# Altium PCB PCB.PcbDoc (part 1 of 2) (continued)
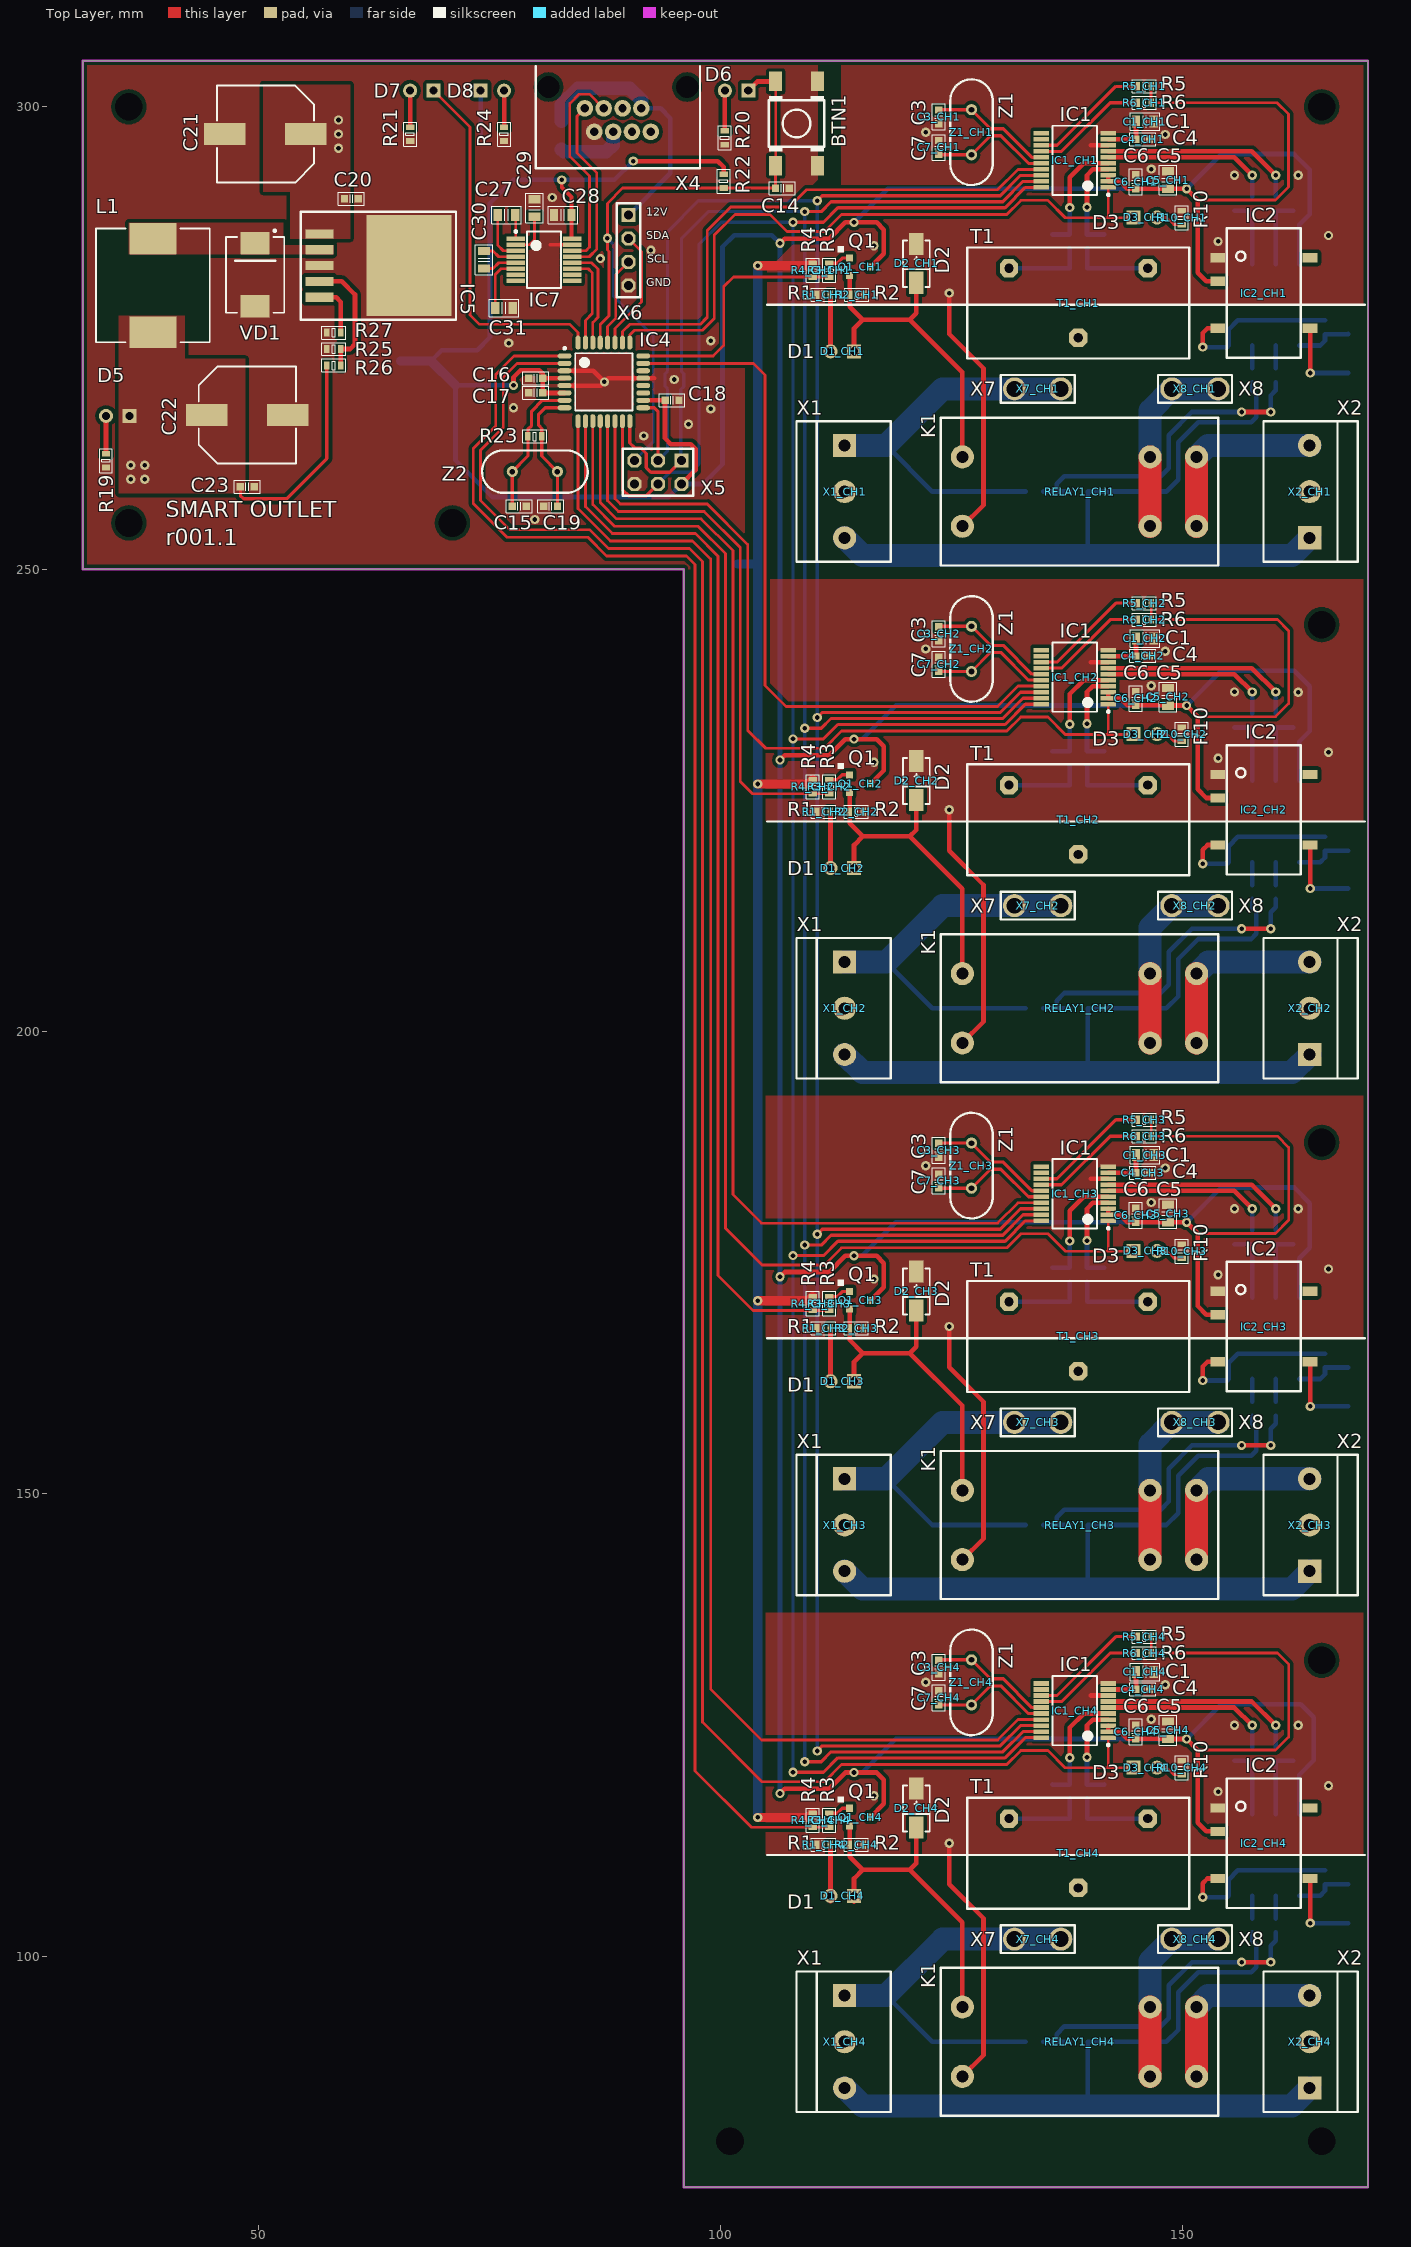
[diagram p0: Top Layer view]
## Components (designator, comment, footprint, x,y, rotation, side; value= is the part's Value field where it differs from the comment) (continued)
R2_CH3 "100k" R_0603 114.681,167.919 r0 top (schematic designator R2)
R2_CH4 "100k" R_0603 114.681,112.039 r0 top (schematic designator R2)
R3_CH1 "100k" R_0603 111.76,282.346 r270 top (schematic designator R3)
R3_CH2 "100k" R_0603 111.76,226.466 r270 top (schematic designator R3)
R3_CH3 "100k" R_0603 111.76,170.586 r270 top (schematic designator R3)
R3_CH4 "100k" R_0603 111.76,114.706 r270 top (schematic designator R3)
R4_CH1 "100k" R_0603 109.957,282.346 r90 top (schematic designator R4)
R4_CH2 "100k" R_0603 109.957,226.466 r90 top (schematic designator R4)
R4_CH3 "100k" R_0603 109.957,170.586 r90 top (schematic designator R4)
R4_CH4 "100k" R_0603 109.957,114.706 r90 top (schematic designator R4)
R5_CH1 "100k" R_0603 145.796,302.209 r0 top (schematic designator R5)
R5_CH2 "100k" R_0603 145.796,246.329 r0 top (schematic designator R5)
R5_CH3 "100k" R_0603 145.796,190.449 r0 top (schematic designator R5)
R5_CH4 "100k" R_0603 145.796,134.569 r0 top (schematic designator R5)
R6_CH1 "100k" R_0603 145.796,300.431 r0 top (schematic designator R6)
R6_CH2 "100k" R_0603 145.796,244.551 r0 top (schematic designator R6)
R6_CH3 "100k" R_0603 145.796,188.671 r0 top (schematic designator R6)
R6_CH4 "100k" R_0603 145.796,132.791 r0 top (schematic designator R6)
R7_CH1 "1k" R_0603 137.744,285.445 r270 bottom (schematic designator R7)
R7_CH2 "1k" R_0603 137.744,229.565 r270 bottom (schematic designator R7)
R7_CH3 "1k" R_0603 137.744,173.685 r270 bottom (schematic designator R7)
R7_CH4 "1k" R_0603 137.744,117.805 r270 bottom (schematic designator R7)
R8_CH1 "26" R_0805 138.684,282.524 r0 bottom (schematic designator R8)
R8_CH2 "26" R_0805 138.684,226.644 r0 bottom (schematic designator R8)
R8_CH3 "26" R_0805 138.684,170.764 r0 bottom (schematic designator R8)
R8_CH4 "26" R_0805 138.684,114.884 r0 bottom (schematic designator R8)
R9_CH1 "1k" R_0603 139.624,285.445 r270 bottom (schematic designator R9)
R9_CH2 "1k" R_0603 139.624,229.565 r270 bottom (schematic designator R9)
R9_CH3 "1k" R_0603 139.624,173.685 r270 bottom (schematic designator R9)
R9_CH4 "1k" R_0603 139.624,117.805 r270 bottom (schematic designator R9)
R10_CH1 "2.2k" R_0603 149.86,288.011 r90 top (schematic designator R10)
R10_CH2 "2.2k" R_0603 149.86,232.131 r90 top (schematic designator R10)
R10_CH3 "2.2k" R_0603 149.86,176.251 r90 top (schematic designator R10)
R10_CH4 "2.2k" R_0603 149.86,120.371 r90 top (schematic designator R10)
R13_CH1 "12" R_0603 160.02,270.967 r90 bottom (schematic designator R13)
R13_CH2 "12" R_0603 160.02,215.087 r90 bottom (schematic designator R13)
R13_CH3 "12" R_0603 160.02,159.207 r90 bottom (schematic designator R13)
R13_CH4 "12" R_0603 160.02,103.327 r90 bottom (schematic designator R13)
R14_CH1 "5.6k" R_0603 160.02,289.509 r90 bottom (schematic designator R14)
R14_CH2 "5.6k" R_0603 160.02,233.629 r90 bottom (schematic designator R14)
R14_CH3 "5.6k" R_0603 160.02,177.749 r90 bottom (schematic designator R14)
R14_CH4 "5.6k" R_0603 160.02,121.869 r90 bottom (schematic designator R14)
R15_CH1 "12" R_0603 157.48,270.967 r90 bottom (schematic designator R15)
R15_CH2 "12" R_0603 157.48,215.087 r90 bottom (schematic designator R15)
R15_CH3 "12" R_0603 157.48,159.207 r90 bottom (schematic designator R15)
R15_CH4 "12" R_0603 157.48,103.327 r90 bottom (schematic designator R15)
R16_CH1 "1k" R_0603 157.48,289.509 r90 bottom (schematic designator R16)
R16_CH2 "1k" R_0603 157.48,233.629 r90 bottom (schematic designator R16)
R16_CH3 "1k" R_0603 157.48,177.749 r90 bottom (schematic designator R16)
R16_CH4 "1k" R_0603 157.48,121.869 r90 bottom (schematic designator R16)
R17_CH1 "1M" R_0805 133.919,258.394 r0 bottom (schematic designator R17)
R17_CH2 "1M" R_0805 133.919,202.514 r0 bottom (schematic designator R17)
R17_CH3 "1M" R_0805 133.919,146.634 r0 bottom (schematic designator R17)
R17_CH4 "1M" R_0805 133.919,90.754 r0 bottom (schematic designator R17)
R18_CH1 "810" R_0805 138.745,258.394 r0 bottom (schematic designator R18)
R18_CH2 "810" R_0805 138.745,202.514 r0 bottom (schematic designator R18)
R18_CH3 "810" R_0805 138.745,146.634 r0 bottom (schematic designator R18)
R18_CH4 "810" R_0805 138.745,90.754 r0 bottom (schematic designator R18)
R19 "2.2k" R_0603 33.528,261.747 r270 top
R20 "2.2k" R_0603 100.457,296.672 r270 top
R21 "2.2k" R_0603 66.421,297.053 r270 top
R22 "10k" R_0603 100.33,291.973 r270 top
R23 "1M" R_0603 79.908,264.363 r0 top
R24 "6.8k" R_0603 76.581,297.053 r270 top
R25 "1.5k" R_0603 58.166,273.812 r180 top
R26 "4.7k" R_0603 58.166,272.034 r0 top
R27 "100k" R_0603 58.166,275.59 r180 top
RELAY1_CH1 "RTSET005" RTSET005 138.811,258.394 r0 top (schematic designator RELAY1)
RELAY1_CH2 "RTSET005" RTSET005 138.811,202.514 r0 top (schematic designator RELAY1)
RELAY1_CH3 "RTSET005" RTSET005 138.811,146.634 r0 top (schematic designator RELAY1)
RELAY1_CH4 "RTSET005" RTSET005 138.811,90.754 r0 top (schematic designator RELAY1)
T1_CH1 "CST-1020" CST-1020 138.684,278.781 r0 top (schematic designator T1)
T1_CH2 "CST-1020" CST-1020 138.684,222.901 r0 top (schematic designator T1)
T1_CH3 "CST-1020" CST-1020 138.684,167.021 r0 top (schematic designator T1)
T1_CH4 "CST-1020" CST-1020 138.684,111.141 r0 top (schematic designator T1)
VD1 "30BQ040" "DO-214AB (SMC)" 49.657,281.838 r270 top
X1_CH1 "DG-300-3" DG-300-5MM-3 113.411,258.394 r0 top (schematic designator X1)
X1_CH2 "DG-300-3" DG-300-5MM-3 113.411,202.514 r0 top (schematic designator X1)
X1_CH3 "DG-300-3" DG-300-5MM-3 113.411,146.634 r0 top (schematic designator X1)
X1_CH4 "DG-300-3" DG-300-5MM-3 113.411,90.754 r0 top (schematic designator X1)
X2_CH1 "DG-300-3" DG-300-5MM-3 163.703,258.394 r180 top (schematic designator X2)
X2_CH2 "DG-300-3" DG-300-5MM-3 163.703,202.514 r180 top (schematic designator X2)
X2_CH3 "DG-300-3" DG-300-5MM-3 163.703,146.634 r180 top (schematic designator X2)
X2_CH4 "DG-300-3" DG-300-5MM-3 163.703,90.754 r180 top (schematic designator X2)
X4 "RJ45" RJ45 88.882,299.713 r180 top
X5 "PLD-6" PLD-6 93.218,260.477 r270 top
X6 "PLS-4" PLS-4 90.043,284.48 r0 top
X7_CH1 "FS1536" FS1536 134.279,269.494 r180 top (schematic designator X7)
X7_CH2 "FS1536" FS1536 134.279,213.614 r180 top (schematic designator X7)
X7_CH3 "FS1536" FS1536 134.279,157.734 r180 top (schematic designator X7)
X7_CH4 "FS1536" FS1536 134.279,101.854 r0 top (schematic designator X7)
X8_CH1 "FS1536" FS1536 151.297,269.494 r180 top (schematic designator X8)
X8_CH2 "FS1536" FS1536 151.297,213.614 r180 top (schematic designator X8)
X8_CH3 "FS1536" FS1536 151.297,157.734 r0 top (schematic designator X8)
X8_CH4 "FS1536" FS1536 151.297,101.854 r180 top (schematic designator X8)
Z1_CH1 "8MHz" HC-49 127.127,297.256 r90 top (schematic designator Z1)
Z1_CH2 "8MHz" HC-49 127.127,241.376 r90 top (schematic designator Z1)
Z1_CH3 "8MHz" HC-49 127.127,185.496 r90 top (schematic designator Z1)
Z1_CH4 "8MHz" HC-49 127.127,129.616 r90 top (schematic designator Z1)
Z2 "8MHz" HC-49 79.908,260.553 r180 top

## Footprints (in the part's own frame and the unit in brackets; to place one, negate y for a bottom-side part, rotate by r counter-clockwise, add the part's x,y. Pads: shape width x height; smd on the part's side, far side on the other; paste and mask are expansions set on the pad)
C_0603 [mm] "Chip Capacitor; Body 1.6 x 0.8 mm (LxW typ)"
  rect 0.8x0.8 smd: 1(-0.75,0) 2(0.75,0)
  silkscreen extent -1.4,-0.7 1.4,0.7, body extent -0.8,-0.4 0.8,0.4, height 0.3
C_0805 [mm] "Capacitor Pattern"
  rect 0.9x1.3 smd: 1(-0.95,0) 2(0.95,0)
  silkscreen extent -1.6,-0.95 1.6,0.95, body extent -1,-0.63 1,0.62, height 0.6
CST-1020 [mm]
  oct 2x2 hole 1: 1(7.5,3.75) 2(-7.5,3.75) 3(0,-3.75)
  silkscreen extent -12,-6 12,6, body extent -11.75,-6 11.75,6, height 25.41
DG-300-5MM-3 [mm]
  rect 2.5x2.5 hole 1.3: 1(0,5)
  round 2.5 hole 1.3: 2(0,0) 3(0,-5)
  silkscreen extent -5.2,-7.6 5,7.6, body extent -5.2,-7.65 5,7.65, height 14.3
"DO-214AB (SMC)" [mm] "Molded Diode, 2-Leads, Body 7.94x5.90mm, IPC Medium Density"
  rect 2.4x3.15 smd: A(3.4,0) C(-3.4,0)
  silkscreen extent -4.87,-3.15 4.1,3.15, body extent -4.06,-3.05 4.07,3.05, height 2.4
DO-214AC [mm]
  rect 2.4x1.55 smd: 1(2.1,0) 2(-2.1,0)
  silkscreen extent -2.55,-1.45 2.45,1.45, body extent -2.6,-1.3 2.6,1.3, height 2.39
ELV471M25RF [mm] "Aluminum Electrolytic Capacitor, Body 10.30x10.30x10.50mm, IPC Low Density"
  rect 4.5x2.35 smd: 1(-4.375,0) 2(4.375,0)
  silkscreen extent -5.25,-5.25 5.25,5.25, body extent -5.5,-5.2 5.5,5.2, height 10.41
FS1536 [mm]
  round 2.5 hole 1.7: 1(-2.5,0) 1(2.5,0)
  silkscreen extent -4,-1.5 4,1.5
HC-49 [mm]
  round 1.2 hole 0.6: 1(-2.44,0) 2(2.44,0)
  silkscreen extent -5.71,-2.29 5.71,2.29, body extent -5.67,-2.32 5.68,2.33, height 3.6
L-12.3x12.3 [mm] "Precision Wire Wound Inductor, 2-Leads, Body 12.00x12.00mm, IPC Medium Density"
  rect 3.4x5.1 smd: 1(-5.05,0) 2(5.05,0)
  silkscreen extent -6.15,-6.15 6.15,6.15, body extent -6,-6 6,6, height 8
LED_5mm [mil]
  rect 60x60 hole 35: 1(0,0)
  round 60 hole 35: 2(100,0)
  body extent -65,-114 148,114, height 520
PLD-6 [mm]
  rect 1.5x1.5 hole 1: 1(-1.27,2.54)
  oct 1.5x1.5 hole 1: 2(1.27,2.54) 3(-1.27,0) 4(1.27,0) 5(-1.27,-2.54) 6(1.27,-2.54)
  silkscreen extent -2.54,-3.81 2.54,3.81, body extent -2.5,-3.81 2.5,3.81, height 8.4
PLS-4 [mm]
  rect 1.5x1.5 hole 1: 1(0,3.81)
  oct 1.5x1.5 hole 1: 2(0,1.27) 3(0,-1.27) 4(0,-3.81)
  silkscreen extent -1.27,-5.08 1.27,5.08, body extent -1.25,-5.08 1.24,5.08, height 8.54
"PUSH BUTTON" [mm]
  rect 2.1x1.4 smd: 1(-4.55,2.25) 1(4.55,2.25) 2(-4.55,-2.25) 2(4.55,-2.25)
  silkscreen extent -3,-3 3,3, body extent -4.5,-3 4.5,3, height 5
R_0603 [mm]
  rect 0.6x0.9 smd: 1(-0.75,0) 2(0.75,0)
  silkscreen extent -1.3,-0.7 1.3,0.7, body extent -0.8,-0.41 0.8,0.41, height 0.45
R_0805 [mm] "Resistor Pattern"
  rect 0.7x1.3 smd: 1(-0.95,0) 2(0.95,0)
  silkscreen extent -1.5,-0.95 1.5,0.95, body extent -1,-0.6 1,0.6, height 0.5
RJ45 [mm]
  round 0 hole 2.4: 0(-7.5,-2.42) 0(7.5,-2.42)
  round 1.8 hole 0.9: 1(3.57,-0.12) 2(2.55,2.42) 3(1.53,-0.12) 4(0.51,2.42) 5(-0.51,-0.12) 6(-1.53,2.42) 7(-2.55,-0.12) 8(-3.57,2.42)
  silkscreen extent -8.89,-4.7 8.89,6.35, body extent -7.87,-15.13 8.12,5.92, height 13.37
RTSET005 [mm]
  round 2.5 hole 1.3: 1(12.67,3.75) 2(12.67,-3.75) 3(7.63,3.75) 4(7.63,-3.75) 5(-12.67,3.75) 6(-12.67,-3.75)
  silkscreen extent -15,-8 15,8
SOP254-8N [mm] "SOP, 8-Leads, Body 9.29x6.62mm, Pitch 2.54mm, IPC Medium Density"
  rect 2.6x0.65 smd: 1(-4.4,3.81) 2(-4.4,1.27) 3(-4.4,-1.27) 4(-4.4,-3.81) 5(4.4,-3.81) 6(4.4,-1.27) 7(4.4,1.27) 8(4.4,3.81)
  silkscreen extent -4.65,-4.8 2.95,4.81, body extent -3.4,-4.7 3.4,4.7, height 2.05
SOP-20 [mm] "SOP, 20-Leads, Body 7.20x5.30mm, Pitch 0.65mm, IPC Medium Density"
  rect 1.65x0.5 smd: 1(-3.625,2.925) 2(-3.625,2.275) 3(-3.625,1.625) 4(-3.625,0.975) 5(-3.625,0.325) 6(-3.625,-0.325) 7(-3.625,-0.975) 8(-3.625,-1.625) 9(-3.625,-2.275) 10(-3.625,-2.925) 11(3.625,-2.925) 12(3.625,-2.275) 13(3.625,-1.625) 14(3.625,-0.975) 15(3.625,-0.325) 16(3.625,0.325) 17(3.625,0.975) 18(3.625,1.625) 19(3.625,2.275) 20(3.625,2.925)
  silkscreen extent -3.75,-3.75 2.4,3.85, body extent -3.95,-3.67 3.95,3.66, height 2.03
SOT23 [mil]
  rect 30x30 smd: 1(0,0) 2(0,-75) 3(90,-37.5)
  silkscreen extent -50,25 -25,50, body extent -4,-97 94,21, height 41
SSOP-16 [mm]
  rect 2x0.45 smd: 1(-3.05,2.275) 2(-3.05,1.625) 3(-3.05,0.975) 4(-3.05,0.325) 5(-3.05,-0.325) 6(-3.05,-0.975) 7(-3.05,-1.625) 8(-3.05,-2.275) 9(3.05,-2.275) 10(3.05,-1.625) 11(3.05,-0.975) 12(3.05,-0.325) 13(3.05,0.325) 14(3.05,0.975) 15(3.05,1.625) 16(3.05,2.275)
  silkscreen extent -3.17,-3.05 1.85,3.17, body extent -3.9,-3.1 3.9,3.1, height 1.9
"TES 1-0511" [mm]
  rect 1.6x1 smd: 1(-5,3.81) 2(-5,1.27) 4(-5,-3.81) 5(5,-3.81) 8(5,3.81)
  silkscreen extent -4,-7 4,7
TO263-5L [mm]
  rect 1x3 smd: 1(-3.42,-4.85) 2(-1.71,-4.85) 3(0,-4.85) 4(1.71,-4.85) 5(3.42,-4.85)
  rect 10.9x9.2 smd: 3(0,4.85)
  silkscreen extent -5.84,-6.86 5.84,9.91, body extent -5.08,-5.4 5.08,8.61, height 4.56
TQFP-32 [mm]
  oval 1.5x0.55 smd: 1(-4.25,2.8) 2(-4.25,2) 3(-4.25,1.2) 4(-4.25,0.4) 5(-4.25,-0.4) 6(-4.25,-1.2) 7(-4.25,-2) 8(-4.25,-2.8) 17(4.25,-2.8) 18(4.25,-2) 19(4.25,-1.2) 20(4.25,-0.4) 21(4.25,0.4) 22(4.25,1.2) 23(4.25,2) 24(4.25,2.8)
  oval 0.55x1.5 smd: 9(-2.8,-4.25) 10(-2,-4.25) 11(-1.2,-4.25) 12(-0.4,-4.25) 13(0.4,-4.25) 14(1.2,-4.25) 15(2,-4.25) 16(2.8,-4.25) 25(2.8,4.25) 26(2,4.25) 27(1.2,4.25) 28(0.4,4.25) 29(-0.4,4.25) 30(-1.2,4.25) 31(-2,4.25) 32(-2.8,4.25)
  silkscreen extent -4.37,-3.1 3.1,3.75, body extent -4.6,-4.63 4.6,4.57, height 1.2

## Part data
BTN1: "Push button"
C1_CH1 C1_CH2 C1_CH3 C1_CH4 C5_CH1 C5_CH2 C5_CH3 C5_CH4 C27 C28 C29 C30 C31: library part C0805, "Capacitor"
C2_CH1 C2_CH2 C2_CH3 C2_CH4 C3_CH1 C3_CH2 C3_CH3 C3_CH4 C4_CH1 C4_CH2 C4_CH3 C4_CH4 C6_CH1 C6_CH2 C6_CH3 C6_CH4 C7_CH1 C7_CH2 C7_CH3 C7_CH4 C8_CH1 C8_CH2 C8_CH3 C8_CH4 C9_CH1 C9_CH2 C9_CH3 C9_CH4 C10_CH1 C10_CH2 C10_CH3 C10_CH4 C11_CH1 C11_CH2 C11_CH3 C11_CH4 C12_CH1 C12_CH2 C12_CH3 C12_CH4 C13_CH1 C13_CH2 C13_CH3 C13_CH4 C14 C15 C16 C17 C18 C19 C20 C23: library part C0603, "Capacitor"
C21 C22: library part Electrolit, "Electrolit capasitor"
D1_CH1 D1_CH2 D1_CH3 D1_CH4 D3_CH1 D3_CH2 D3_CH3 D3_CH4 D5 D6 D7 D8: library part LED_5mm, "Typical INFRARED GaAs LED"
D2_CH1 D2_CH2 D2_CH3 D2_CH4 D4_CH1 D4_CH2 D4_CH3 D4_CH4: "Diode"
IC1_CH1 IC1_CH2 IC1_CH3 IC1_CH4: library part ADE7753ARSZ, "Data Acquisition ADC/DAC"
IC2_CH1 IC2_CH2 IC2_CH3 IC2_CH4: "Isolated DC/DC Converter"
IC3_CH1 IC3_CH2 IC3_CH3 IC3_CH4: "Isolation Amplifier 4.25kV PEAK Iso Amp"
IC4: "High Performance, Low Power Atmel AVR 8-Bit Microcontroller"
IC5: "52KHz, 2A PWM Buck DC/DC Converter", Link=https://voron.ua/catalog/031858
IC7: "RS-232 Line Driver/Receiver With ±15-kV ESD Protection"
L1: library part L, "Inductor"
Q1_CH1 Q1_CH2 Q1_CH3 Q1_CH4: library part N-ch_SOT23, "N-Channel Enhancement Mode MOSFET", ComponentLink1Description="Manufacturer Link", ComponentLink1URL=http://www.zetex.com/, ComponentLink2Description=Datasheet, ComponentLink2URL=www.zetex.com/3.0/pdf/ZXM61N02F.pdf, DatasheetVersion=May-99, PackageDescription="SOT-23; 3 Leads; Body 3.1 x 2.5 mm, inc. leads (LxW max), Alternate Lead Configuration", PackageReference=SOT23, PackageVersion=1996, Published=17-Dec-2003, Publisher="Altium Limited"
R1_CH1 R1_CH2 R1_CH3 R1_CH4 R2_CH1 R2_CH2 R2_CH3 R2_CH4 R3_CH1 R3_CH2 R3_CH3 R3_CH4 R4_CH1 R4_CH2 R4_CH3 R4_CH4 R5_CH1 R5_CH2 R5_CH3 R5_CH4 R6_CH1 R6_CH2 R6_CH3 R6_CH4 R7_CH1 R7_CH2 R7_CH3 R7_CH4 R9_CH1 R9_CH2 R9_CH3 R9_CH4 R10_CH1 R10_CH2 R10_CH3 R10_CH4 R13_CH1 R13_CH2 R13_CH3 R13_CH4 R14_CH1 R14_CH2 R14_CH3 R14_CH4 R15_CH1 R15_CH2 R15_CH3 R15_CH4 R16_CH1 R16_CH2 R16_CH3 R16_CH4 R19 R20 R21 R22 R23 R24 R25 R26 R27: library part R0603, "Resistor"
R8_CH1 R8_CH2 R8_CH3 R8_CH4 R17_CH1 R17_CH2 R17_CH3 R17_CH4 R18_CH1 R18_CH2 R18_CH3 R18_CH4: library part R0805, "Resistor"
RELAY1_CH1 RELAY1_CH2 RELAY1_CH3 RELAY1_CH4: library part 1-1415898-8, "General Purpose Relay"
T1_CH1 T1_CH2 T1_CH3 T1_CH4: "Current Transformer"
VD1: "High Performance Schottky Rectifier, 3.0 A", Link=https://voron.ua/catalog/schottky-diode-30bq040-irf
X4: "Outlet YH-55-05 8P8C 5521", Link=https://www.rcscomponents.kiev.ua/product/rozetka-yh-55-05-8p8c-5521-l-kls12-133-8p8c-w-o-2-01_8324.html
X7_CH1 X7_CH2 X7_CH3 X7_CH4 X8_CH1 X8_CH2 X8_CH3 X8_CH4: "PCB Soldering tips"
Z1_CH1 Z1_CH2 Z1_CH3 Z1_CH4 Z2: library part XTAL, "Quartz resonator"

## Free pads (board coordinates)
  round 0 hole 3: 0(36,255) 0(36,300) 0(71,255) 0(101,80) 0(165,80) 0(165,132) 0(165,188) 0(165,244) 0(165,300)

## Via types
v1: diameter 1, hole 0.5, Top Layer to Bottom Layer, 119 vias

## Nets (pads, with @x,y where several pads share a name; then routed paths per layer and width w, separated by ;. In a path a pad name is that pad's centre, name@x,y a point inside that pad or via, vN(x,y) a via of type N, cw(c..) or ccw(c..) an arc to the next point about the centre after c; other vN are vias at no path point)
5V: C5_CH1.2 C5_CH2.2 C5_CH3.2 C5_CH4.2 C6_CH1.2 C6_CH2.2 C6_CH3.2 C6_CH4.2 C12_CH1.2 C12_CH2.2 C12_CH3.2 C12_CH4.2 C16.2 C17.2 C18.2 C22.1 C23.2 C28.1 D5.1 IC1_CH1.2 IC1_CH1.3 IC1_CH2.2 IC1_CH2.3 IC1_CH3.2 IC1_CH3.3 IC1_CH4.2 IC1_CH4.3 IC2_CH1.2 IC2_CH2.2 IC2_CH3.2 IC2_CH4.2 IC3_CH1.8 IC3_CH2.8 IC3_CH3.8 IC3_CH4.8 IC4.4 IC4.6 IC4.18 IC7.16 L1.2 Q1_CH1.3 Q1_CH2.3 Q1_CH3.3 Q1_CH4.3 R5_CH1.2 R5_CH2.2 R5_CH3.2 R5_CH4.2 R6_CH1.2 R6_CH2.2 R6_CH3.2 R6_CH4.2 R22.1 R26.1 X5.2 | length 909
  Top Layer w0.3: R5_CH1.2@146.546,302.209 R6_CH1.2@146.546,300.431 160.198,300.431 161.417,299.212 161.417,291.338 160,289.921 151.587,289.921 ; R5_CH4.2@146.556,134.579 146.556,132.801 160.208,132.801 161.427,131.582 161.427,123.708 160.01,122.291 151.597,122.291 ; R5_CH3.2@146.556,190.459 146.556,188.681 160.208,188.681 161.427,187.462 161.427,179.588 160.01,178.171 151.597,178.171 ; R5_CH2.2@146.556,246.339 146.556,244.561 160.208,244.561 161.427,243.342 161.427,235.468 160.01,234.051 151.597,234.051
  Top Layer w0.35: C23.2@48.069,258.928 48.069,257.95 48.412,257.607 53.061,257.607 57.416,261.962 R26.1@57.416,272.034 ; C17.2@80.76,269.062 C17.2@80.766,269.056
  Top Layer w0.4: v1(82.804,292.1) 82.804,291.338 83.881,290.261 C28.1@83.881,288.29 IC7.16@83.881,285.807
  Top Layer w0.5: v1(77.597,269.875) 77.597,270.764 78.359,271.526 80.391,271.526 80.76,271.157 C16.2@80.76,270.662 C17.2@80.76,269.062 ; C17.2@80.766,269.056 IC4.6@83.126,269.056 ; C16.2@80.767,270.656 IC4.4@83.126,270.656 ; v1(90.551,294.132) 99.695,294.132 100.33,293.497 R22.1@100.33,292.723 ; IC4.18@91.626,268.256 93.985,268.256 93.985,264.155 94.615,263.525 96.774,263.525 97.282,263.017 97.282,260.731 X5.2@95.758,259.207 ; v1(106.426,117.602) 106.934,118.11 111.735,118.11 113.487,119.863 v1(114.427,119.863) 116.865,119.863 117.653,119.075 117.653,116.472 Q1_CH4.3@116.23,115.049 ; v1(106.426,173.482) 106.934,173.99 111.735,173.99 113.487,175.743 v1(114.427,175.743) 116.865,175.743 117.653,174.955 117.653,172.352 Q1_CH3.3@116.23,170.929 ; v1(106.426,229.362) 106.934,229.87 111.735,229.87 113.487,231.623 v1(114.427,231.623) 116.865,231.623 117.653,230.835 117.653,228.232 Q1_CH2.3@116.23,226.809 ; v1(106.426,285.242) 106.934,285.75 111.735,285.75 113.487,287.503 v1(114.427,287.503) 116.865,287.503 117.653,286.715 117.653,284.112 Q1_CH1.3@116.23,282.689 ; IC1_CH4.3@141.928,124.943 IC1_CH4.2@141.928,124.293 143.194,124.293 143.981,123.507 C6_CH4.2@144.907,123.507 C5_CH4.2@148.361,123.507 ; IC1_CH3.3@141.928,180.823 IC1_CH3.2@141.928,180.173 143.194,180.173 143.981,179.387 C6_CH3.2@144.907,179.387 C5_CH3.2@148.361,179.387 ; IC1_CH2.3@141.928,236.703 IC1_CH2.2@141.928,236.053 143.194,236.053 143.981,235.267 C6_CH2.2@144.907,235.267 C5_CH2.2@148.361,235.267 ; IC1_CH1.3@141.928,292.583 IC1_CH1.2@141.928,291.933 143.194,291.933 143.981,291.147 C6_CH1.2@144.907,291.147 C5_CH1.2@148.361,291.147 ; C5_CH1.2@148.361,291.125 150.383,291.125 151.587,289.921 151.587,282.067 152.527,281.127 IC2_CH1.2@153.75,281.127 ; C5_CH4.2@148.372,123.495 v1(150.393,123.495) 151.597,122.291 151.597,114.437 152.537,113.497 IC2_CH4.2@153.76,113.497 ; C5_CH3.2@148.372,179.375 v1(150.393,179.375) 151.597,178.171 151.597,170.317 152.537,169.377 IC2_CH3.2@153.76,169.377 ; C5_CH2.2@148.372,235.255 v1(150.393,235.255) 151.597,234.051 151.597,226.197 152.537,225.257 IC2_CH2.2@153.76,225.257
  Bottom Layer w0.5: 68.682,272.517 69.85,273.685 73.66,273.685 75.057,275.082 75.057,289.56 77.597,292.1 v1(82.804,292.1) 88.519,292.1 v1(90.551,294.132) ; v1(77.597,269.875) 71.323,269.875 71.323,261.798 75.311,257.81 94.361,257.81 X5.2@95.758,259.207 98.044,259.207 100.203,261.366 100.203,284.861 101.473,286.131 105.537,286.131 v1(106.426,285.242) v1(106.426,229.362) v1(106.426,173.482) v1(106.426,117.602) ; v1(114.427,119.863) 115.291,119.863 118.923,123.495 v1(150.393,123.495) 154.153,127.254 162.738,127.254 164.16,125.832 164.16,121.183 162.572,119.595 C12_CH4.2@162.572,118.44 162.56,118.428 IC3_CH4.8@162.56,115.347 ; v1(114.427,175.743) 115.291,175.743 118.923,179.375 v1(150.393,179.375) 154.153,183.134 162.025,183.134 ; v1(114.427,231.623) 115.291,231.623 118.923,235.255 v1(150.393,235.255) 154.153,239.014 162.025,239.014 ; v1(114.427,287.503) 118.059,291.135 v1(150.393,291.135) 154.153,294.894 162.001,294.894 163.703,293.192 163.703,288.366 162.572,287.235 C12_CH1.2@162.572,286.08 162.56,286.068 IC3_CH1.8@162.56,282.987 ; 162.013,183.146 162.025,183.134 ; 162.013,239.026 162.025,239.014 ; IC3_CH3.8@162.56,171.227 162.56,174.308 C12_CH3.2@162.572,174.32 ; IC3_CH2.8@162.56,227.107 162.56,230.188 C12_CH2.2@162.572,230.2 ; C12_CH3.2@162.584,174.332 162.584,175.487 163.715,176.618 163.715,181.444 162.025,183.134 ; C12_CH2.2@162.584,230.212 162.584,231.367 163.715,232.498 163.715,237.324 162.025,239.014
  Bottom Layer w1: 65.38,272.517 68.682,272.517 71.323,269.875
  other v1: 36.195,259.715 37.719,259.715 36.195,261.239 37.719,261.239
12V: C20.2 C21.1 D8.1 IC5.1 X4.4 X4.7 X6.1 | length 40.6
  Bottom Layer w0.5: 74.041,297.053 D8.1@74.041,301.752 ; X6.1@90.043,288.29 94.564,292.811 94.564,298.78 93.511,299.833 X4.7@91.432,299.833
  Bottom Layer w1.5: 82.804,295.402 83.058,295.148 87.63,295.148 88.372,295.89 X4.4@88.372,297.293 ; 82.804,298.45 82.804,300.228 84.582,302.006 90.17,302.006 91.432,300.744 X4.7@91.432,299.833
  other v1: 58.674,295.529 58.674,297.053 58.674,298.577
220div1k_CH1: C13_CH1.1 R13_CH1.1 R17_CH1.2 R18_CH1.1 | length 35.7
  Top Layer w0.5: v1(156.337,267.005) v1(159.487,267.005)
  Bottom Layer w0.5: R17_CH1.2@134.869,258.394 136.332,258.394 ; R18_CH1.1@137.795,258.394 136.332,258.394 ; v1(156.337,267.005) 150.978,267.005 148.463,264.49 148.463,260.934 147.574,260.045 137.16,260.045 136.332,259.217 136.332,258.394 ; v1(159.487,267.005) 159.487,268.771 C13_CH1.1@159.475,268.783 160.02,269.328 R13_CH1.1@160.02,270.217
220div1k_CH2: C13_CH2.1 R13_CH2.1 R17_CH2.2 R18_CH2.1 | length 35.7
  Top Layer w0.5: v1(156.337,211.125) v1(159.487,211.125)
  Bottom Layer w0.5: R17_CH2.2@134.869,202.514 136.332,202.514 ; R18_CH2.1@137.795,202.514 136.332,202.514 ; v1(156.337,211.125) 150.978,211.125 148.463,208.61 148.463,205.054 147.574,204.165 137.16,204.165 136.332,203.337 136.332,202.514 ; v1(159.487,211.125) 159.487,212.891 C13_CH2.1@159.475,212.903 160.02,213.448 R13_CH2.1@160.02,214.337
220div1k_CH3: C13_CH3.1 R13_CH3.1 R17_CH3.2 R18_CH3.1 | length 35.7
  Top Layer w0.5: v1(156.337,155.245) v1(159.487,155.245)
  Bottom Layer w0.5: R17_CH3.2@134.869,146.634 136.332,146.634 ; R18_CH3.1@137.795,146.634 136.332,146.634 ; v1(156.337,155.245) 150.978,155.245 148.463,152.73 148.463,149.174 147.574,148.285 137.16,148.285 136.332,147.457 136.332,146.634 ; v1(159.487,155.245) 159.487,157.011 C13_CH3.1@159.475,157.023 160.02,157.568 R13_CH3.1@160.02,158.457
220div1k_CH4: C13_CH4.1 R13_CH4.1 R17_CH4.2 R18_CH4.1 | length 35.7
  Top Layer w0.5: v1(156.337,99.365) v1(159.487,99.365)
  Bottom Layer w0.5: R17_CH4.2@134.869,90.754 136.332,90.754 ; R18_CH4.1@137.795,90.754 136.332,90.754 ; v1(156.337,99.365) 150.978,99.365 148.463,96.85 148.463,93.294 147.574,92.405 137.16,92.405 136.332,91.577 136.332,90.754 ; v1(159.487,99.365) 159.487,101.131 C13_CH4.1@159.475,101.143 160.02,101.688 R13_CH4.1@160.02,102.577
CS1: IC1_CH1.17 IC4.26 | length 59.3
  Top Layer w0.3: IC4.26@89.376,274.506 89.376,275.685 90.17,276.479 97.79,276.479 98.552,277.241 98.552,286.639 101.092,289.179 107.442,289.179 109.296,291.033 129.957,291.033 132.157,293.233 IC1_CH1.17@134.678,293.233
CS2: IC1_CH2.17 IC4.23 | length 79
  Top Layer w0.3: IC4.23@91.626,272.256 103.537,272.256 104.8,270.993 104.8,237.414 107.061,235.153 129.957,235.153 132.157,237.353 IC1_CH2.17@134.678,237.353
CS3: IC1_CH3.17 IC4.12 | length 130.5
  Top Layer w0.3: IC4.12@86.976,266.006 86.976,257.194 88.722,255.448 97.889,255.448 101.323,252.014 101.323,182.37 104.419,179.273 129.957,179.273 132.157,181.473 IC1_CH3.17@134.678,181.473
CS4: IC1_CH4.17 IC4.9 | length 187.2
  Top Layer w0.3: IC4.9@84.576,266.006 84.576,256.546 88.074,253.048 96.964,253.048 98.923,251.089 98.923,128.89 104.419,123.393 129.957,123.393 132.157,125.593 IC1_CH4.17@134.678,125.593
GND: BTN1.1 C1_CH1.2 C1_CH2.2 C1_CH3.2 C1_CH4.2 C2_CH1.2 C2_CH2.2 C2_CH3.2 C2_CH4.2 C3_CH1.1 C3_CH2.1 C3_CH3.1 C3_CH4.1 C4_CH1.2 C4_CH2.2 C4_CH3.2 C4_CH4.2 C5_CH1.1 C5_CH2.1 C5_CH3.1 C5_CH4.1 C6_CH1.1 C6_CH2.1 C6_CH3.1 C6_CH4.1 C7_CH1.1 C7_CH2.1 C7_CH3.1 C7_CH4.1 C8_CH1.2 C8_CH2.2 C8_CH3.2 C8_CH4.2 C9_CH1.2 C9_CH2.2 C9_CH3.2 C9_CH4.2 C10_CH1.2 C10_CH2.2 C10_CH3.2 C10_CH4.2 C12_CH1.1 C12_CH2.1 C12_CH3.1 C12_CH4.1 C14.1 C15.2 C16.1 C17.1 C18.1 C19.2 C20.1 C21.2 C22.2 C23.1 C28.2 C29.1 C31.1 D2_CH1.1 D2_CH2.1 D2_CH3.1 D2_CH4.1 IC1_CH1.8 IC1_CH1.10 IC1_CH2.8 IC1_CH2.10 IC1_CH3.8 IC1_CH3.10 IC1_CH4.8 IC1_CH4.10 IC2_CH1.1 IC2_CH2.1 IC2_CH3.1 IC2_CH4.1 IC3_CH1.5 IC3_CH2.5 IC3_CH3.5 IC3_CH4.5 IC4.3 IC4.5 IC4.21 IC5.3 IC7.15 R1_CH1.2 R1_CH2.2 R1_CH3.2 R1_CH4.2 R2_CH1.2 R2_CH2.2 R2_CH3.2 R2_CH4.2 R4_CH1.2 R4_CH2.2 R4_CH3.2 R4_CH4.2 R10_CH1.2 R10_CH2.2 R10_CH3.2 R10_CH4.2 R19.2 R20.2 R21.2 R24.2 R25.2 R27.2 RELAY1_CH1.6 RELAY1_CH2.6 RELAY1_CH3.6 RELAY1_CH4.6 VD1.A X4.2 X5.6 X6.4 | length 330
  Top Layer w0.4: 81.56,285.089 IC7.15@83.949,285.089
  Top Layer w0.5: IC4.5@83.126,269.856 87.027,269.856 v1(87.427,270.256) ; IC4.3@83.126,271.456 86.227,271.456 v1(87.427,270.256) ; 92.818,270.656 IC4.21@91.626,270.656 87.827,270.656 v1(87.427,270.256) ; v1(124.714,112.217) 124.714,107.798 128.422,104.089 128.422,89.286 RELAY1_CH4.6@126.141,87.004 ; v1(124.714,168.097) 124.714,163.678 128.422,159.969 128.422,145.166 RELAY1_CH3.6@126.141,142.884 ; v1(124.714,223.977) 124.714,219.558 128.422,215.849 128.422,201.046 RELAY1_CH2.6@126.141,198.764 ; v1(124.714,279.857) 124.714,275.438 128.422,271.729 128.422,256.926 RELAY1_CH1.6@126.141,254.644 ; 140.031,128.193 IC1_CH4.8@141.928,128.193 ; 140.031,184.073 IC1_CH3.8@141.928,184.073 ; 140.031,239.953 IC1_CH2.8@141.928,239.953 ; 140.031,295.833 IC1_CH1.8@141.928,295.833
  Top Layer w1: v1(104.013,115.011) 109.511,115.011 R4_CH4.2@109.957,115.456 ; v1(104.013,170.891) 109.511,170.891 R4_CH3.2@109.957,171.336 ; v1(104.013,226.771) 109.511,226.771 R4_CH2.2@109.957,227.216 ; v1@104.013,282.822 109.682,282.822 R4_CH1.2@109.957,283.096
  Bottom Layer w1: 101.854,250.571 104.013,250.571 ; v1(104.013,115.011) v1(104.013,170.891) v1(104.013,226.771) 104.013,250.571 ; v1(104.013,282.829) 104.013,250.571
  other v1: 116.586,117.348 153.797,117.805 165.735,118.44 155.575,124.968 162.458,124.968 146.558,125.628 148.082,129.362 122.174,129.616 116.586,173.228 153.797,173.685 165.735,174.32 155.575,180.848 162.458,180.848 146.558,181.508 148.082,185.242 122.174,185.496 116.586,229.108 153.797,229.565 165.735,230.2 162.458,236.703 155.575,236.728 146.558,237.388 148.082,241.122 122.174,241.376 79.908,255.372 91.694,264.414 96.52,265.684 98.933,267.335 77.597,267.462 94.996,270.51 77.089,274.447 98.933,274.701 86.995,283.591 92.456,284.48 116.586,284.988 153.797,285.445 165.735,286.08 81.788,290.195 155.575,292.608 162.458,292.608 146.558,293.268 148.082,297.002 122.174,297.256
MISO: IC1_CH1.19 IC1_CH2.19 IC1_CH3.19 IC1_CH4.19 IC4.16 X5.1 | length 324.9
  Top Layer w0.35: IC4.16@90.176,266.006 90.176,263.646 90.711,263.111 91.346,263.111 91.948,262.509 91.948,260.985 92.456,260.477 94.488,260.477 X5.1@95.758,261.747 ; v1(109.093,121.031) 110.871,121.031 111.933,122.093 130.496,122.093 132.696,124.293 IC1_CH4.19@134.678,124.293 ; v1(109.093,176.911) 110.871,176.911 111.933,177.973 130.496,177.973 132.696,180.173 IC1_CH3.19@134.678,180.173 ; v1(109.093,232.791) 110.871,232.791 111.933,233.853 130.496,233.853 132.696,236.053 IC1_CH2.19@134.678,236.053 ; v1(109.093,288.671) 110.871,288.671 111.933,289.733 130.496,289.733 132.696,291.933 IC1_CH1.19@134.678,291.933
  Bottom Layer w0.35: X5.1@95.758,261.747 95.695,261.81 95.695,269.431 96.012,269.748 96.012,271.145 95.758,271.399 95.758,285.75 98.679,288.671 v1(109.093,288.671) v1(109.093,232.791) v1(109.093,176.911) v1(109.093,121.031)
MOSI: IC1_CH1.20 IC1_CH2.20 IC1_CH3.20 IC1_CH4.20 IC4.15 X5.4 | length 333.6
  Top Layer w0.35: IC4.15@89.376,266.006 89.376,258.604 90.043,257.937 91.948,257.937 X5.4@93.218,259.207 ; v1(107.823,119.888) 111.125,119.888 112.68,121.443 130.765,121.443 132.965,123.643 IC1_CH4.20@134.678,123.643 ; v1(107.823,175.768) 111.125,175.768 112.68,177.323 130.765,177.323 132.965,179.523 IC1_CH3.20@134.678,179.523 ; v1(107.823,231.648) 111.125,231.648 112.68,233.203 130.765,233.203 132.965,235.403 IC1_CH2.20@134.678,235.403 ; v1(107.823,287.528) 111.125,287.528 112.68,289.083 130.765,289.083 132.965,291.283 IC1_CH1.20@134.678,291.283
  Bottom Layer w0.35: X5.4@93.218,259.207 94.488,260.477 96.774,260.477 97.663,261.366 97.663,285.14 100.051,287.528 v1(107.823,287.528) v1(107.823,231.648) v1(107.823,175.768) v1(107.823,119.888)
N220_CH1: C13_CH1.2 R15_CH1.1 R18_CH1.2 X1_CH1.3 X2_CH1.1 | length 86.8
  Bottom Layer w0.5: 139.675,251.46 139.695,251.48 R18_CH1.2@139.695,258.394 148.209,258.394 149.479,259.664 149.479,263.728 151.638,265.887 157.378,265.887 157.937,266.446 C13_CH1.2@157.937,268.82 ; R15_CH1.1@157.48,270.217 157.48,269.277 C13_CH1.2@157.937,268.82 ; C13_CH1.2@157.975,268.783 C13_CH1.2@157.937,268.82
  Bottom Layer w2.5: X1_CH1.3@113.411,253.394 115.345,251.46 139.675,251.46 161.769,251.46 X2_CH1.1@163.703,253.394
N220_CH2: C13_CH2.2 R15_CH2.1 R18_CH2.2 X1_CH2.3 X2_CH2.1 | length 86.8
  Bottom Layer w0.5: 139.695,195.6 R18_CH2.2@139.695,202.514 148.209,202.514 149.479,203.784 149.479,207.848 151.638,210.007 157.378,210.007 157.937,210.566 C13_CH2.2@157.937,212.94 ; R15_CH2.1@157.48,214.337 157.48,213.397 C13_CH2.2@157.937,212.94 ; C13_CH2.2@157.975,212.903 C13_CH2.2@157.937,212.94
  Bottom Layer w2.5: X1_CH2.3@113.411,197.514 115.345,195.58 161.769,195.58 X2_CH2.1@163.703,197.514
N220_CH3: C13_CH3.2 R15_CH3.1 R18_CH3.2 X1_CH3.3 X2_CH3.1 | length 86.8
  Bottom Layer w0.5: 139.695,139.72 R18_CH3.2@139.695,146.634 148.209,146.634 149.479,147.904 149.479,151.968 151.638,154.127 157.378,154.127 157.937,154.686 C13_CH3.2@157.937,157.06 ; R15_CH3.1@157.48,158.457 157.48,157.517 C13_CH3.2@157.937,157.06 ; C13_CH3.2@157.975,157.023 C13_CH3.2@157.937,157.06
  Bottom Layer w2.5: X1_CH3.3@113.411,141.634 115.345,139.7 161.769,139.7 X2_CH3.1@163.703,141.634
N220_CH4: C13_CH4.2 R15_CH4.1 R18_CH4.2 X1_CH4.3 X2_CH4.1 | length 86.8
  Bottom Layer w0.5: 139.695,83.84 R18_CH4.2@139.695,90.754 148.209,90.754 149.479,92.024 149.479,96.088 151.638,98.247 157.378,98.247 157.937,98.806 C13_CH4.2@157.937,101.18 ; R15_CH4.1@157.48,102.577 157.48,101.637 C13_CH4.2@157.937,101.18 ; C13_CH4.2@157.975,101.143 C13_CH4.2@157.937,101.18
  Bottom Layer w2.5: X1_CH4.3@113.411,85.754 115.345,83.82 161.769,83.82 X2_CH4.1@163.703,85.754
NetC1_CH1_1: C1_CH1.1 C4_CH1.1 IC1_CH1.9 | length 4.9
  Top Layer w0.5: IC1_CH1.9@141.928,296.483 144.919,296.483 C4_CH1.1@144.919,296.494 144.919,298.396 C1_CH1.1@144.922,298.399